# Altium PCB Copy of pcb-4layer-1oz-1.6mm.PcbDoc (part 3 of 3)
Units mm, origin at the board's own origin, x right, y up, seen from the top; angles counter-clockwise.
Board outline 208.5 x 86.9 mm, 4 copper layers (Top Layer, MID1, MID2, Bottom Layer), stack 1.579 mm thick; 542 components, 426 nets, 1550 pads, 320 vias.
Unrouted connection lines stored in the file: 532.
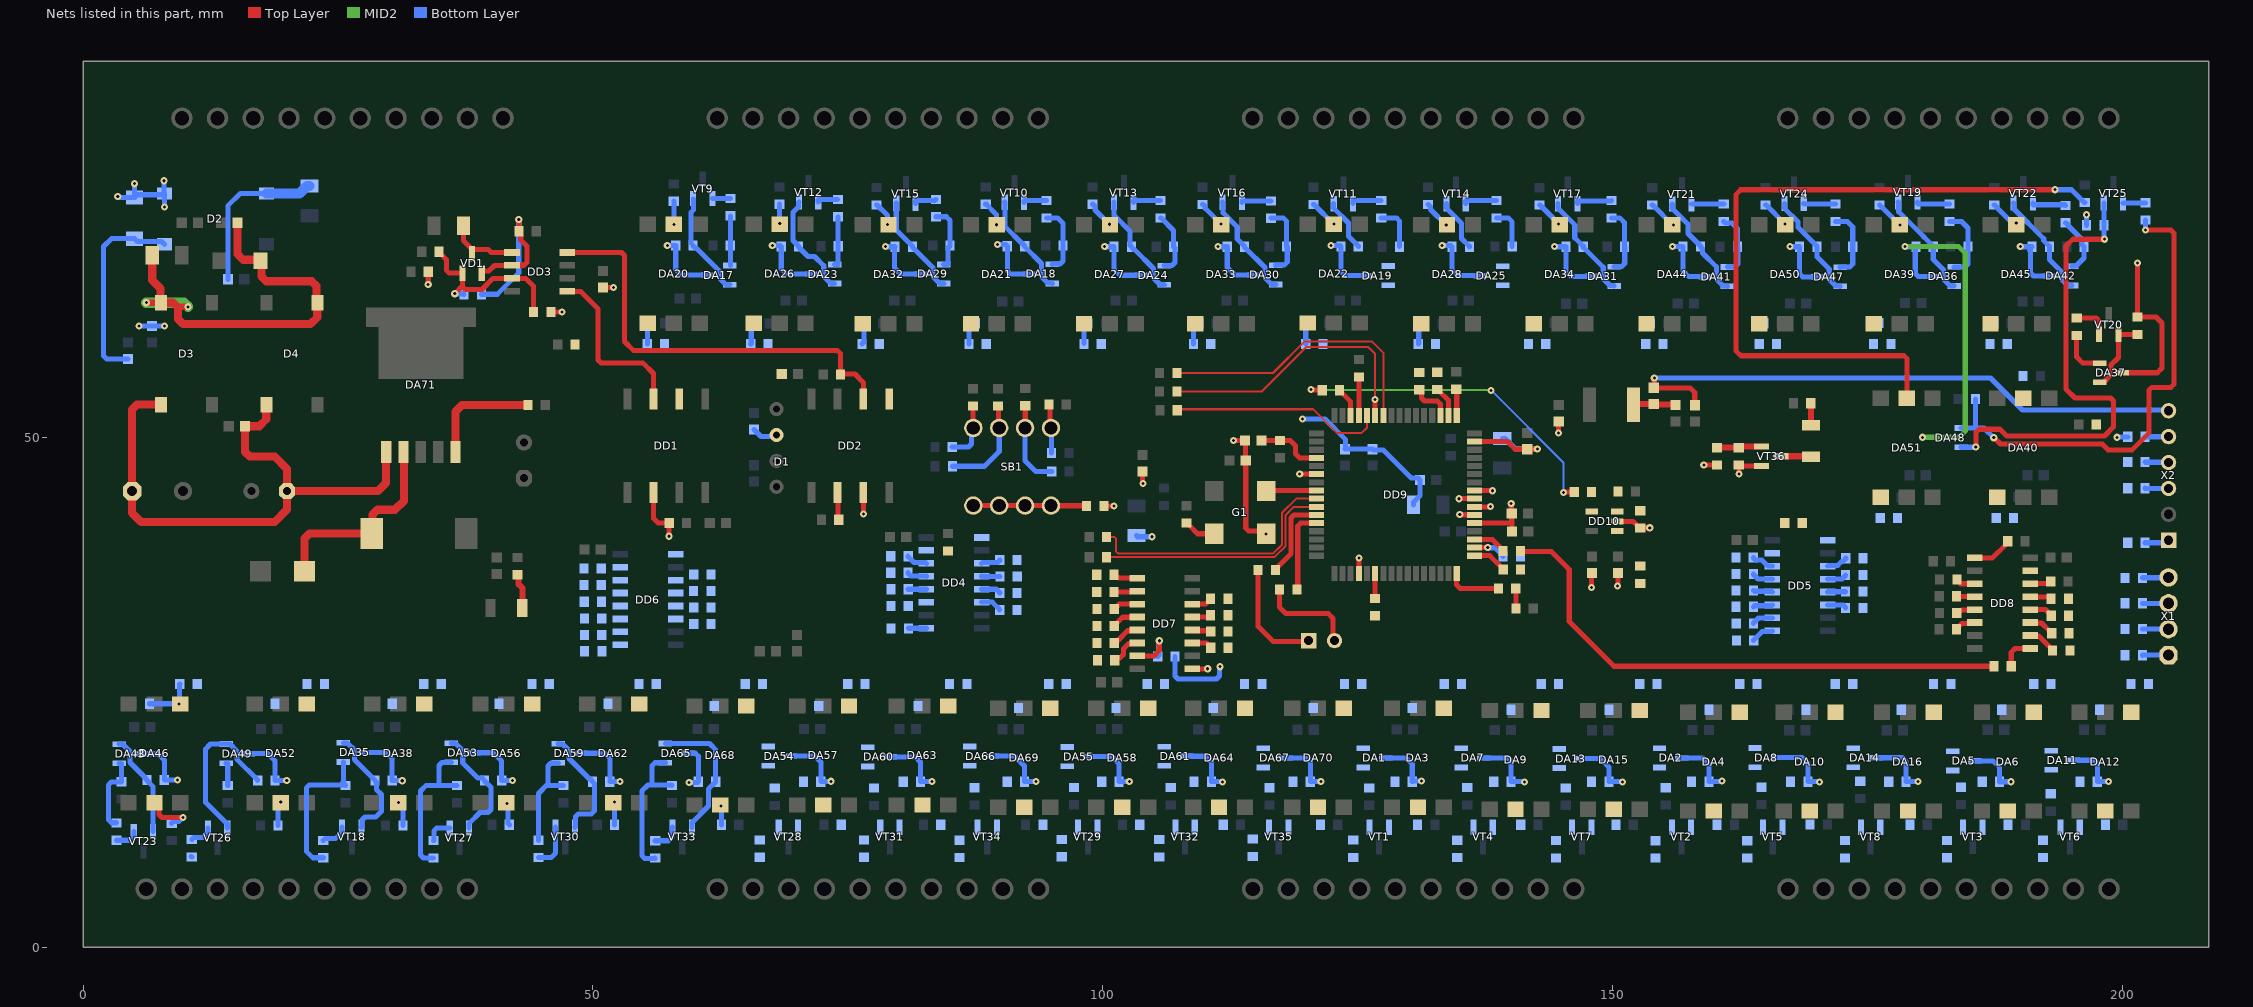
[diagram p5: the nets of this part, all layers, seen from the top]

## Via types
v1: diameter 0.7, hole 0.3, Top Layer to Bottom Layer, 305 vias
v2: diameter 0.65, hole 0.3, Top Layer to Bottom Layer, 15 vias

## Nets (pads, with @x,y where several pads share a name; then routed paths per layer and width w, separated by ;. In a path a pad name is that pad's centre, name@x,y a point inside that pad or via, vN(x,y) a via of type N, cw(c..) or ccw(c..) an arc to the next point about the centre after c; other vN are vias at no path point) (continued)
GND_INPUTS: C42.2 D2.2 DA1.3 DA2.3 DA5.3 DA7.3 DA8.3 DA11.3 DA13.3 DA14.3 DA17.3 DA18.3 DA19.3 DA23.3 DA24.3 DA25.3 DA29.3 DA30.3 DA31.3 DA35.3 DA36.3 DA37.3 DA41.3 DA42.3 DA43.3 DA47.3 DA48.3 DA49.3 DA53.3 DA54.3 DA55.3 DA59.3 DA60.3 DA61.3 DA65.3 DA66.3 DA67.3 R9.1 R10.1 R14.1 R25.1 R26.1 R34.1 R43.1 R44.1 R58.1 R59.1 R60.1 R75.1 R76.1 R78.1 R94.1 R95.1 R96.1 R112.1 R113.1 R114.1 R129.1 R130.1 R132.1 R148.1 R149.1 R150.1 R166.1 R167.1 R168.1 R183.1 R184.1 R186.1 R202.1 R203.1 R204.1 VD2.2 | length 253.4
  Top Layer w0.5: DA37.3@199.983,56.334 203.434,56.334 203.9,56.8 203.9,61.2 203.314,61.786 R114.1@201.479,61.786 201.479,67.079 v1(201.5,67.1)
  MID2 w0.5: v1(178.7,68.7) 183.957,68.7 184.6,68.057 184.6,50.6 184,50 v1(180.4,50)
  Bottom Layer w0.5: v1(3.4,73.6) 3.486,73.514 VD2.2@5.052,73.514 ; v1(5.051,74.871) 5.052,74.87 VD2.2@5.052,73.514 ; v1(5.5,60.9) 5.507,60.907 C42.2@6.756,60.907 7.993,60.907 v1(8,60.9) ; DA43.3@5.735,18.961 7.339,18.961 7.969,18.331 R132.1@7.969,16.388 9.278,16.388 v1(9.278,16.386) ; v1(7.947,75.161) 7.947,73.958 D2.2@7.982,73.922 ; v1(7.984,72.581) 7.984,73.921 D2.2@7.982,73.922 ; DA49.3@16.207,18.972 18.128,18.972 18.826,18.274 R150.1@18.826,16.331 19.978,16.331 v1(19.978,16.328) ; DA35.3@27.715,19.091 29.709,19.091 30.318,18.482 R112.1@30.318,16.331 31.304,16.331 v1(31.304,16.317) ; DA53.3@38.318,19.058 40.242,19.058 41.058,18.242 R166.1@41.058,16.331 42.102,16.331 v1(42.122,16.351) ; DA59.3@48.787,19.015 51.185,19.015 51.662,18.538 R183.1@51.662,16.225 v1(52.645,16.225) ; v1(57.3,68.8) 58.118,68.8 R58.1@58.132,68.814 58.132,66.468 58.69,65.91 DA17.3@61.263,65.91 ; DA65.3@59.292,19.021 59.296,19.017 60.051,19.017 60.344,18.724 R202.1@60.344,16.225 60.267,16.148 v1(59.446,16.148) ; v1(67.6,68.8) 68.383,68.8 R75.1@68.477,68.706 68.477,66.523 68.984,66.016 DA23.3@71.52,66.016 ; DA54.3@69.376,18.731 71.769,18.731 72.356,18.144 R167.1@72.356,16.225 73.332,16.225 v1(73.367,16.26) ; v1(78.7,68.7) 78.713,68.687 R94.1@79.643,68.687 79.6,68.644 79.6,66.6 80.184,66.016 DA29.3@82.227,66.016 ; DA60.3@79.155,18.66 81.64,18.66 82.143,18.157 R184.1@82.143,16.225 83.262,16.225 v1(83.275,16.238) ; DA66.3@89.152,18.737 91.363,18.737 92.335,17.765 R203.1@92.335,16.225 93.449,16.225 v1(93.45,16.226) ; v1(89.7,68.9) 90.495,68.9 R59.1@90.65,68.745 90.65,66.318 90.943,66.025 DA18.3@92.872,66.025 ; DA55.3@98.724,18.682 100.918,18.682 101.614,17.986 R168.1@101.614,16.225 v1(102.614,16.225) ; v1(100.2,68.7) 100.213,68.687 R76.1@101.126,68.687 101.126,66.474 101.708,65.892 DA24.3@103.853,65.892 ; DA61.3@108.225,18.714 110.086,18.714 110.669,18.131 R186.1@110.669,16.225 111.709,16.225 v1(111.742,16.192) ; v1(111.3,68.7) 111.313,68.687 R95.1@112.223,68.687 112.223,66.677 112.977,65.923 DA30.3@114.793,65.923 ; DA67.3@117.953,18.554 119.946,18.554 120.364,18.136 R204.1@120.364,16.225 121.39,16.225 v1(121.393,16.228) ; v1(122.4,68.8) 123.279,68.8 R60.1@123.375,68.704 123.375,66.225 123.739,65.861 DA19.3@125.826,65.861 ; DA1.3@127.742,18.56 129.74,18.56 130.365,17.935 R9.1@130.365,16.225 130.426,16.286 v1(131.274,16.286) ; v1(133.3,68.8) 134.15,68.8 R78.1@134.263,68.687 134.263,66.437 134.851,65.849 DA25.3@137.042,65.849 ; DA7.3@137.367,18.548 139.752,18.548 140.057,18.243 R25.1@140.057,16.225 141.334,16.225 v1(141.375,16.184) ; v1(144.3,68.7) 144.313,68.687 R96.1@145.434,68.687 145.434,66.266 145.914,65.786 DA31.3@147.972,65.786 ; DA13.3@146.981,18.497 148.803,18.497 149.646,17.654 R43.1@149.646,16.225 150.975,16.225 v1(151,16.2) ; v1(155.9,68.7) 155.904,68.704 R129.1@156.926,68.704 156.926,66.322 157.493,65.755 DA41.3@159.095,65.755 ; DA2.3@156.799,18.555 158.845,18.555 159.458,17.942 R10.1@159.458,16.225 160.677,16.225 v1(160.731,16.279) ; DA8.3@166.162,18.593 168.607,18.593 169.162,18.038 R26.1@169.162,16.225 170.275,16.225 v1(170.3,16.2) ; v1(167.4,68.7) 167.413,68.687 R148.1@168.358,68.687 168.358,66.042 168.659,65.741 DA47.3@170.14,65.741 ; DA14.3@175.819,18.567 178.433,18.567 178.8,18.2 178.8,16.229 R44.1@178.795,16.225 179.939,16.225 v1(179.95,16.236) ; v1(178.7,68.7) 178.713,68.687 R113.1@179.765,68.687 179.7,68.622 179.7,66.069 179.993,65.776 DA36.3@181.33,65.776 ; v1(180.4,50) 180.432,49.968 DA48.3@182.02,49.968 ; DA5.3@185.543,18.269 187.331,18.269 187.972,17.628 R14.1@187.972,16.225 187.977,16.221 189.068,16.221 v1(189.072,16.216) ; v1(190,68.7) 190.013,68.687 R130.1@191.15,68.687 191,68.536 191,66.115 191.293,65.822 DA42.3@192.873,65.822 ; DA11.3@195.205,18.329 197.259,18.329 197.552,18.036 R34.1@197.552,16.225 198.653,16.225 v1(198.66,16.232) ; R149.1@196.495,70.795 196.498,70.798 196.498,71.825 v1(196.502,71.828) ; VD2.2@5.052,73.514 5.328,73.79 7.85,73.79 D2.2@7.982,73.922
GND_ISO: C38.1 C39.1 C40.2 D1.3 DD2.5 DD3.5 R218.1 R322.1 VD1.3 | length 12.2
  Top Layer w0.5: R322.1@37.318,70.755 37.318,69.282 38.101,68.499 38.101,68.049 VD1.3@38.151,67.999 ; VD1.3@38.151,68.076 38.151,68.383 38.201,68.433 39.724,68.433 40.03,68.126 DD3.5@42.067,68.126 ; R218.1@45.884,62.287 46.983,62.287 v1(46.988,62.282) ; C40.2@51,64.7 52.033,64.7 v1(52.035,64.698)
  Bottom Layer w0.5: C39.1@65.794,50.769 66.491,50.073 67.853,50.073 D1.3@68.008,50.228
GND_MCU: C49.2 C50.2 C51.2 C52.2 C53.2 C54.2 C55.2 C56.2 C57.2 C58.2 C59.2 C60.2 C61.2 C62.2 C63.2 C64.2 DD9.22 DD9.53 DD9.63 DD10.2 G1.2 L4.2 R307.1 R316.1 R318.1 VT36.2 X2.6 | length 120.2
  Top Layer w0.5: R307.1@100.126,43.267 101.102,43.267 v1(101.107,43.272) ; C55.2@103.9,46.656 103.9,45.575 103.966,45.509 v1(103.966,45.455) ; v1(112.819,49.697) 112.833,49.683 C58.2@113.973,49.683 114.004,49.652 114.004,47.768 C50.2@114.035,47.737 114.035,41.093 114.328,40.8 115.775,40.8 v2(116.039,40.535) ; v1(119.325,46.385) 119.326,46.383 120.973,46.383 DD9.22@120.975,46.382 ; DD9.63@136.477,49.584 139.716,49.584 140.468,48.832 C64.2@141.636,48.832 142.619,48.832 v1(142.628,48.841) ; DD9.53@136.491,41.598 140.068,41.598 140.125,41.654 L4.2@140.125,42.535 140.068,42.592 v1(140.068,43.502) ; 140.134,41.582 140.134,40.768 C59.2@140.144,40.759 ; v1(144.713,50.406) 144.723,50.415 C63.2@144.723,51.555 ; v1(147.961,35.284) 147.961,36.661 C56.2@147.996,36.697 ; DD10.2@150.458,41.759 152.009,41.759 152.668,41.1 R316.1@152.718,41.1 152.743,41.124 v1(153.655,41.124) ; v1(150.5,35.4) 150.533,35.433 C57.2@150.533,36.697 ; v1(154.102,55.813) 154.102,54.903 C61.2@154.053,54.854 157.607,54.854 158.072,54.388 158.072,53.158 C60.2@158.091,53.138 ; v1(162.4,46.4) 162.392,46.408 R318.1@162.392,47.282 162.48,47.194 164.617,47.194 VT36.2@164.62,47.191
  Bottom Layer w0.5: C52.2@103.314,40.357 103.427,40.243 v1(104.856,40.243) ; v1(119.6,51.8) 121.8,51.8 123.8,49.8 123.8,48.87 C53.2@123.763,48.833 C54.2@126.464,48.833 126.557,48.74 127.538,48.74 130.261,46.017 130.916,46.017 C51.2@131.119,45.814 131.119,44.272 130.474,43.627 C49.2@130.474,43.377 ; C62.2@139.207,49.879 139.457,49.879 140.495,48.841 v1(142.628,48.841) ; v1(154.102,55.813) 187.087,55.813 190.214,52.686 204.464,52.686 X2.6@204.546,52.604
LED_Debug: DD9.36 R317.1 | length 2.8
  Top Layer w0.5: DD9.36@125.125,36.632 125.125,38.136 v1(125.139,38.15) ; v1(158.958,47.282) R317.1@160.252,47.282
nCE_to_MCU: DD4.15 DD5.15 DD6.15 DD7.15 DD8.15 R228.2 R240.1 | length 5
  Top Layer w0.5: DD7.15@103.381,28.56 105.04,28.56 105.553,29.072 v1(105.553,30.045)
  Bottom Layer w0.5: R228.2@105.404,28.511 105.511,28.618 105.511,29.949 105.553,29.991 v1(105.553,30.045)
NetC41_1: C41.1 D2.3 FU1.2 | length 16
  Bottom Layer w0.5: C41.1@14.2,65.5 14.2,72.7 15.422,73.922 D2.3@17.982,73.922
  Bottom Layer w1: D2.3@17.982,73.922 21.236,73.922 21.952,74.639 FU1.2@22.202,74.639
NetC61_1: C61.1 L5.2 L6.1 | length 4.2
  Top Layer w0.6: L6.1@152.052,53.197 152.108,53.254 C61.1@154.053,53.254 154.102,53.204 156.14,53.204 L5.2@156.189,53.155
NetC65_1: C65.1 D3.4 D4.3 FU2.2 VD3.1 | length 44.9
  Top Layer w0.6: v1(6.2,63.2) D3.4@7.645,63.201 ; 9.368,62.8 v1(10.3,62.8)
  Top Layer w0.8: FU2.2@6.778,67.838 6.778,65.422 7.6,64.6 7.6,63.245 D3.4@7.645,63.201 8.831,63.201 9.3,62.732 9.3,61.6 9.8,61.1 22.3,61.1 22.968,61.768 22.968,63.187 D4.3@22.982,63.201 22.9,63.283 22.9,64.831 22.431,65.3 17.969,65.3 17.5,65.769 17.5,67.225 VD3.1@17.412,67.313 17.309,67.416 15.7,67.416 15.147,67.969 C65.1@15.147,71.047
  MID2 w1: v1(6.2,63.2) 9.899,63.2 10.299,62.8 v1(10.3,62.8)
NetC66_1: C66.1 C67.1 C68.1 D3.1 D4.1 DA71.1 | length 57.4
  Top Layer w0.8: D3.1@7.645,53.201 5.301,53.201 4.808,52.708 C67.1@4.808,44.725 4.808,42.592 5.7,41.7 18.8,41.7 20.006,42.906 C68.1@20.006,44.725 ; D4.1@17.982,53.201 17.968,53.187 17.968,51.768 17.29,51.09 C66.1@15.886,51.09 15.886,48.569 16.354,48.1 18.8,48.1 20.006,46.894 C68.1@20.006,44.725 ; DA71.1@29.726,48.561 29.726,45.526 28.925,44.725 C68.1@20.006,44.725
NetD2_1: D2.1 L1.1 VD2.1 | length 19.8
  Bottom Layer w0.5: L1.1@4.405,57.694 2.306,57.694 2,58 2,68.707 2.777,69.484 VD2.1@5.052,69.484 5.334,69.201 7.703,69.201 D2.1@7.982,68.922
NetDA1_1: DA1.1 R1.1 R3.1
NetDA1_2: DA1.2 R9.2 VT1.2
NetDA2_1: DA2.1 R2.1 R4.1
NetDA2_2: DA2.2 R10.2 VT2.2
NetDA3_2: DA3.2 R6.1
NetDA3_4: DA3.4 R11.1 R16.1
NetDA4_2: DA4.2 R7.1
NetDA4_4: DA4.4 R12.1 R15.1
NetDA5_1: DA5.1 R5.1 R8.1
NetDA5_2: DA5.2 R14.2 VT3.2
NetDA6_2: DA6.2 R13.1
NetDA6_4: DA6.4 R17.1 R20.1
NetDA7_1: DA7.1 R18.1 R21.1
NetDA7_2: DA7.2 R25.2 VT4.2
NetDA8_1: DA8.1 R19.1 R22.1
NetDA8_2: DA8.2 R26.2 VT5.2
NetDA9_2: DA9.2 R23.1
NetDA9_4: DA9.4 R28.1 R31.1
NetDA10_2: DA10.2 R24.1
NetDA10_4: DA10.4 R29.1 R32.1
NetDA11_1: DA11.1 R27.1 R30.1
NetDA11_2: DA11.2 R34.2 VT6.2
NetDA12_2: DA12.2 R33.1
NetDA12_4: DA12.4 R39.1 R40.1
NetDA13_1: DA13.1 R35.1 R37.1
NetDA13_2: DA13.2 R43.2 VT7.2
NetDA14_1: DA14.1 R36.1 R38.1
NetDA14_2: DA14.2 R44.2 VT8.2
NetDA15_2: DA15.2 R41.1
NetDA15_4: DA15.4 R46.1 R48.1
NetDA16_2: DA16.2 R42.1
NetDA16_4: DA16.4 R45.1 R47.1
NetDA17_1: DA17.1 R49.1 R52.1 | length 4.9
  Bottom Layer w0.5: R49.1@63.476,68.821 63.491,68.836 63.491,71.706 R52.1@63.506,71.721 ; DA17.1@63.492,66.849 R49.1@63.492,68.821
NetDA17_2: DA17.2 R58.2 VT9.2 | length 10
  Bottom Layer w0.5: R58.2@59.627,69.07 59.627,72.056 59.851,72.279 59.851,73.387 VT9.2@59.852,73.388 ; R58.2@59.832,68.814 59.832,68.764 60.032,68.564 60.136,68.564 61.318,67.382 62.5,66.2 62.5,65.536 63.067,64.97 DA17.2@63.448,64.97
NetDA18_1: DA18.1 R50.1 R53.1 | length 6.7
  Bottom Layer w0.5: R53.1@94.484,71.521 95.579,71.521 96.112,70.988 R50.1@96.112,68.814 96.112,67.287 95.819,66.994 95.086,66.994 DA18.1@95.057,66.965
NetDA18_2: DA18.2 R59.2 VT10.2 | length 10.1
  Bottom Layer w0.5: VT10.2@90.398,73.052 90.437,73.014 90.437,70.659 92.1,68.995 92.15,68.995 92.35,68.795 R59.2@92.35,68.745 ; R59.2@92.35,68.695 93.996,67.049 93.996,65.765 94.646,65.115 95.027,65.115 DA18.2@95.057,65.085
NetDA19_1: DA19.1 R51.1 R54.1 | length 4.4
  Bottom Layer w0.5: R54.1@127.313,71.521 128.807,71.521 129.1,71.228 R51.1@129.1,68.697
NetDA19_2: DA19.2 R60.2 VT11.2 | length 5.2
  Bottom Layer w0.5: VT11.2@122.659,72.92 122.659,72.47 124.1,71.029 124.1,69.729 125.075,68.754 R60.2@125.075,68.704
NetDA20_2: DA20.2 R55.1 | length 2.3
  Bottom Layer w0.5: R55.1@57.938,73.15 57.938,70.899 v1(57.946,70.891)
NetDA20_4: DA20.4 R62.1 R64.1 | length 2
  Bottom Layer w0.5: R62.1@55.337,61.183 55.339,61.181 55.339,59.157 R64.1@55.34,59.155
NetDA21_2: DA21.2 R56.1 | length 2.5
  Bottom Layer w0.5: R56.1@88.529,72.852 88.579,72.852 89.594,71.838 v1(89.594,70.848)
NetDA21_4: DA21.4 R61.1 R65.1 | length 2.3
  Bottom Layer w0.5: R65.1@86.879,59.155 86.879,60.523 87.501,61.144 R61.1@87.501,61.194
NetDA22_2: DA22.2 R57.1 | length 2.8
  Bottom Layer w0.5: R57.1@120.687,72.83 120.737,72.83 122.666,70.9 v1(122.7,70.9)
NetDA22_4: DA22.4 R63.1 R66.1 | length 2.3
  Bottom Layer w0.5: R66.1@119.916,59.155 119.916,60.611 120.462,61.158 R63.1@120.462,61.208
NetDA23_1: DA23.1 R67.1 R70.1 | length 5
  Bottom Layer w0.5: DA23.1@73.705,66.955 74.03,66.955 74.06,66.985 R67.1@74.06,68.695 ; R70.1@74.033,71.624 74.047,71.611 74.047,68.758 R67.1@74.06,68.745
NetDA23_2: DA23.2 R75.2 VT12.2 | length 10.5
  Bottom Layer w0.5: VT12.2@70.2,73.085 70.15,73.035 70.15,72.585 69.632,72.066 69.632,69.301 70.177,68.756 70.177,68.656 71.099,67.734 71.736,67.734 72.644,66.826 72.644,65.755 73.324,65.076 DA23.2@73.705,65.076
NetDA24_1: DA24.1 R68.1 R71.1 | length 6.2
  Bottom Layer w0.5: R71.1@105.669,71.521 105.719,71.521 106.956,70.283 R68.1@106.956,68.687 107.089,68.553 107.089,67.154 106.797,66.861 106.067,66.861 DA24.1@106.037,66.832
NetDA24_2: DA24.2 R76.2 VT13.2 | length 10.3
  Bottom Layer w0.5: VT13.2@101.126,73.055 101.126,71.774 102.685,70.215 102.685,68.827 R76.2@102.826,68.687 ; R76.2@102.858,68.605 103.026,68.437 103.108,68.437 104.977,66.567 104.977,65.632 105.627,64.982 106.008,64.982 DA24.2@106.037,64.952
NetDA25_1: DA25.1 R69.1 R72.1 | length 4.1
  Bottom Layer w0.5: R72.1@138.626,71.521 139.779,71.521 140.165,71.135 R69.1@140.165,68.704
NetDA25_2: DA25.2 R78.2 VT14.2 | length 5.2
  Bottom Layer w0.5: VT14.2@133.713,72.92 133.713,72.47 135.2,70.983 135.2,69.5 135.963,68.737 R78.2@135.963,68.687
NetDA26_2: DA26.2 R73.1 | length 1.9
  Bottom Layer w0.5: R73.1@68.319,72.852 68.319,70.958 v1(68.327,70.95)
NetDA26_4: DA26.4 R79.1 R82.1 | length 2.1
  Bottom Layer w0.5: R82.1@65.481,59.155 65.529,59.204 65.529,61.126 R79.1@65.578,61.175
NetDA27_2: DA27.2 R74.1 | length 2.7
  Bottom Layer w0.5: R74.1@99.005,72.852 99.055,72.852 99.255,72.652 99.255,72.302 v1@100.649,70.907
  other v1: 100.649,70.895
NetDA27_4: DA27.4 R80.1 R83.1 | length 2.1
  Bottom Layer w0.5: R83.1@98.155,59.205 98.155,60.695 98.568,61.109 R80.1@98.568,61.159
NetDA28_2: DA28.2 R77.1 | length 2.8
  Bottom Layer w0.5: R77.1@131.908,72.817 131.958,72.817 132.158,72.617 132.158,72.342 v1(133.7,70.8)
NetDA28_4: DA28.4 R81.1 R84.1 | length 2.2
  Bottom Layer w0.5: R84.1@130.958,59.155 131,59.197 131,60.53 131.566,61.096 R81.1@131.566,61.146
NetDA29_1: DA29.1 R85.1 R88.1 | length 6.3
  Bottom Layer w0.5: R88.1@83.658,71.631 84.669,71.631 85.039,71.261 85.039,68.764 84.839,68.564 84.839,68.287 84.823,68.272 84.823,67.278 84.822,67.277 84.822,66.985 84.793,66.956 DA29.1@84.412,66.956
NetDA29_2: DA29.2 R94.2 VT15.2 | length 10
  Bottom Layer w0.5: VT15.2@79.758,72.959 79.758,70.321 81.343,68.737 R94.2@81.343,68.687 81.343,68.637 83.351,66.628 83.351,65.756 84.001,65.106 84.382,65.106 DA29.2@84.412,65.076
NetDA30_1: DA30.1 R86.1 R89.1 | length 6.9
  Bottom Layer w0.5: R89.1@116.52,71.491 117.749,71.491 118.042,71.198 R86.1@118.042,68.704 118.1,68.646 118.1,67.185 117.807,66.892 117.006,66.892 DA30.1@116.977,66.862
NetDA30_2: DA30.2 R95.2 VT16.2 | length 10.4
  Bottom Layer w0.5: VT16.2@111.77,73.052 111.82,73.002 111.82,72.013 113.2,70.633 113.2,69.459 113.923,68.737 R95.2@113.923,68.687 113.923,68.637 115.917,66.643 115.917,65.662 116.567,65.012 116.948,65.012 DA30.2@116.977,64.983
NetDA31_1: DA31.1 R87.1 R90.1 | length 6.7
  Bottom Layer w0.5: R90.1@149.91,71.521 150.707,71.521 151.184,71.044 R87.1@151.184,68.687 151.2,68.671 151.2,67.049 150.907,66.756 150.186,66.756 DA31.1@150.156,66.726
NetDA31_2: DA31.2 R96.2 VT17.2 | length 10.6
  Bottom Layer w0.5: VT17.2@144.666,72.92 144.666,72.47 146.3,70.836 146.3,69.571 147.134,68.737 R96.2@147.134,68.687 147.134,68.637 149.096,66.675 149.096,65.526 149.746,64.876 150.127,64.876 DA31.2@150.156,64.847
NetDA32_2: DA32.2 R91.1 | length 2.4
  Bottom Layer w0.5: R91.1@77.827,72.792 77.877,72.792 78.9,71.769 v1(78.9,70.879)
NetDA32_4: DA32.4 R99.1 R102.1 | length 2.1
  Bottom Layer w0.5: R102.1@76.389,59.155 76.589,59.355 76.589,59.689 76.598,59.698 76.598,61.025 R99.1@76.73,61.157
NetDA33_2: DA33.2 R92.1 | length 2.7
  Bottom Layer w0.5: R92.1@109.802,72.831 109.852,72.831 110.052,72.631 110.052,72.454 111.6,70.906 v1(111.6,70.9)
NetDA33_4: DA33.4 R97.1 R100.1 | length 2.2
  Bottom Layer w0.5: R100.1@108.9,59.155 108.9,60.606 109.417,61.124 R97.1@109.417,61.174
NetDA34_2: DA34.2 R93.1 | length 2.7
  Bottom Layer w0.5: R93.1@142.85,72.777 142.9,72.777 144.7,70.977 v1(144.7,70.9)
NetDA34_4: DA34.4 R98.1 R101.1
NetDA35_1: DA35.1 R103.1 R106.1 | length 14.4
  Bottom Layer w0.5: R106.1@23.558,8.765 22.535,8.765 21.9,9.4 21.9,15.607 22.193,15.9 R103.1@25.692,15.9 ; DA35.1@25.531,18.151 25.531,16.061 R103.1@25.692,15.9 ; R103.1@25.748,15.861 25.709,15.9 R103.1@25.692,15.9
NetDA35_2: DA35.2 R112.2 VT18.2 | length 11.5
  Bottom Layer w0.5: DA35.2@25.531,20.031 25.56,20.002 25.941,20.002 26.616,19.327 26.616,18.383 28.618,16.381 R112.2@28.618,16.331 28.762,16.187 28.762,15.463 29.269,14.956 29.269,13.321 28.695,12.748 27.654,12.748 27.361,12.455 27.361,11.803 VT18.2@27.311,11.753
NetDA36_1: DA36.1 R104.1 R107.1 | length 7.1
  Bottom Layer w0.5: R107.1@183.057,71.172 184.228,71.172 184.868,70.532 R104.1@184.868,68.703 184.868,67.009 184.575,66.716 DA36.1@183.515,66.716
NetDA36_2: DA36.2 R113.2 VT19.2 | length 10.7
  Bottom Layer w0.5: VT19.2@178.029,73.069 178.079,73.019 178.079,72.121 180.532,69.668 180.533,69.668 181.465,68.737 R113.2@181.465,68.687 181.465,67.437 182.454,66.447 182.454,65.515 183.104,64.865 183.485,64.865 DA36.2@183.515,64.836
NetDA37_1: DA37.1 R105.1 R108.1 | length 4.6
  Top Layer w0.5: R108.1@195.528,59.993 195.528,57.872 196.126,57.274 DA37.1@197.799,57.274
NetDA37_2: DA37.2 R114.2 VT20.2 | length 7.6
  Top Layer w0.5: DA37.2@197.799,55.394 197.828,55.424 198.209,55.424 198.879,56.093 198.879,57.079 199.63,57.83 VT20.2@199.63,60.106 199.65,60.086 R114.2@201.479,60.086
NetDA38_2: DA38.2 R109.1 | length 2.4
  Bottom Layer w0.5: v1(30.955,14.198) 31.373,13.779 R109.1@31.373,11.938
NetDA38_4: DA38.4 R115.1 R118.1
NetDA39_2: DA39.2 R110.1 | length 2.8
  Bottom Layer w0.5: R110.1@176.175,72.777 176.225,72.777 178.2,70.802 v1(178.2,70.8)
NetDA39_4: DA39.4 R116.1 R119.1
NetDA40_2: DA40.2 R111.1
NetDA40_4: DA40.4 R117.1 R120.1
NetDA41_1: DA41.1 R121.1 R124.1 | length 6.2
  Bottom Layer w0.5: R124.1@160.916,71.172 161.088,71 161.707,71 162.254,70.453 R121.1@162.254,68.692 162.3,68.646 162.3,67.017 162.007,66.724 161.308,66.724 DA41.1@161.279,66.694
NetDA41_2: DA41.2 R129.2 VT21.2 | length 10.5
  Bottom Layer w0.5: VT21.2@155.867,72.884 155.867,72.434 157.4,70.901 157.4,69.98 158.626,68.754 R129.2@158.626,68.704 158.826,68.504 158.826,68.085 160.187,66.725 160.187,65.526 160.869,64.844 161.25,64.844 DA41.2@161.279,64.815
NetDA42_1: DA42.1 R122.1 R125.1 | length 5.8
  Bottom Layer w0.5: R125.1@194.423,71.032 194.485,71.032 194.673,70.844 194.673,70.782 196.052,69.403 196.052,68.891 R122.1@196.252,68.691 196.252,67.576 195.467,66.792 195.086,66.792 DA42.1@195.057,66.762
NetDA42_2: DA42.2 R130.2 VT22.2 | length 10.7
  Bottom Layer w0.5: VT22.2@189.34,72.976 189.39,72.926 189.39,72.381 192.3,69.471 192.3,69.287 192.85,68.737 R130.2@192.85,68.687 192.85,67.437 194.1,66.187 194.1,65.459 194.676,64.883 DA42.2@195.057,64.883
NetDA43_1: DA43.1 R123.1 R126.1 | length 7.7
  Bottom Layer w0.5: R126.1@3.291,12.175 3.266,12.2 2.793,12.2 2.5,12.493 2.5,15.917 2.793,16.21 R123.1@3.765,16.21 3.765,17.992 3.735,18.021 DA43.1@3.551,18.021
NetDA43_2: DA43.2 R132.2 VT23.2 | length 10.2
  Bottom Layer w0.5: DA43.2@3.551,19.901 3.932,19.901 3.961,19.871 3.961,19.83 4.611,19.18 4.611,18.095 6.119,16.588 6.119,16.538 R132.2@6.269,16.388 6.269,16.338 6.876,15.731 VT23.2@6.876,11.337
NetDA44_2: DA44.2 R127.1 | length 2.9
  Bottom Layer w0.5: R127.1@153.896,72.777 153.946,72.777 155.923,70.8 v1(156,70.8)
NetDA44_4: DA44.4 R134.1 R136.1
NetDA45_2: DA45.2 R128.1 | length 2.9
  Bottom Layer w0.5: R128.1@187.438,72.777 187.488,72.777 187.688,72.577 187.688,72.527 189.176,71.038 189.562,71.038 v1(189.6,71)
NetDA45_4: DA45.4 R133.1 R137.1
NetDA46_2: DA46.2 R131.1 | length 5.2
  Top Layer w0.5: DA46.2@7,14.15 7.454,13.696 7.454,12.993 7.747,12.7 v1(9.8,12.7)
  Bottom Layer w0.5: R131.1@8.689,12.142 8.889,12.342 9.407,12.342 9.765,12.7 v1(9.8,12.7)
NetDA46_4: DA46.4 R135.1 R138.1 | length 4.9
  Bottom Layer w0.5: R135.1@6.522,23.869 9.411,23.869 v1(9.416,23.863) 9.453,23.9 9.453,25.769 R138.1@9.49,25.806
NetDA47_1: DA47.1 R139.1 R142.1 | length 6.9
  Bottom Layer w0.5: R142.1@171.886,71.172 173.028,71.172 173.57,70.63 R139.1@173.57,68.691 173.57,67.003 173.277,66.71 172.354,66.71 DA47.1@172.325,66.68
NetDA47_2: DA47.2 R148.2 VT24.2 | length 10.6
  Bottom Layer w0.5: VT24.2@166.858,72.926 166.858,72.476 168.2,71.135 168.2,70.595 170.058,68.737 170.058,67.708 171.264,66.502 171.264,65.48 171.914,64.83 172.295,64.83 DA47.2@172.325,64.801
NetDA48_1: DA48.1 R140.1 R143.1 | length 48.5
  Top Layer w0.5: v1(187.397,49.962) 187.451,49.962 188.066,49.347 198.033,49.347 198.612,48.768 200.968,48.768 202.607,50.407 202.607,54.607 202.9,54.9 204.765,54.9 205.058,55.193 205.058,70.037 204.765,70.33 v1(202.262,70.33)
  Bottom Layer w0.5: DA48.1@184.205,50.908 185.779,50.908 ; R140.1@185.601,53.747 185.601,51.086 185.779,50.908 ; v1(187.397,49.962) 186.451,50.908 185.779,50.908 ; v1(202.262,70.33) 202.262,71.267 R143.1@202.292,71.298
NetDA48_2: DA48.2 R149.2 VT25.2 | length 46.5
  Top Layer w0.5: v1(185.63,49.051) 185.668,49.089 185.668,50.5 185.961,50.793 188.007,50.793 188.671,50.129 198.246,50.129 199.142,51.026 199.142,53.552 198.849,53.845 195.355,53.845 194.478,54.722 194.478,68.755 195.15,69.427 v1(198.264,69.427)
  Bottom Layer w0.5: DA48.2@184.205,49.028 185.607,49.028 v1(185.63,49.051) ; VT25.2@198.189,72.978 198.192,72.975 198.192,70.797 R149.2@198.195,70.795 198.195,69.551 198.264,69.482 v1(198.264,69.427)